# Altium PCB VM3300_V0.1.PcbDoc
Units mil, origin at the board's own origin, x right, y up, seen from the top; angles counter-clockwise.
Board outline 5128.14 x 5521.84 mil, 2 copper layers (Top Layer, Bottom Layer); 149 components, 98 nets, 458 pads, 76 vias.
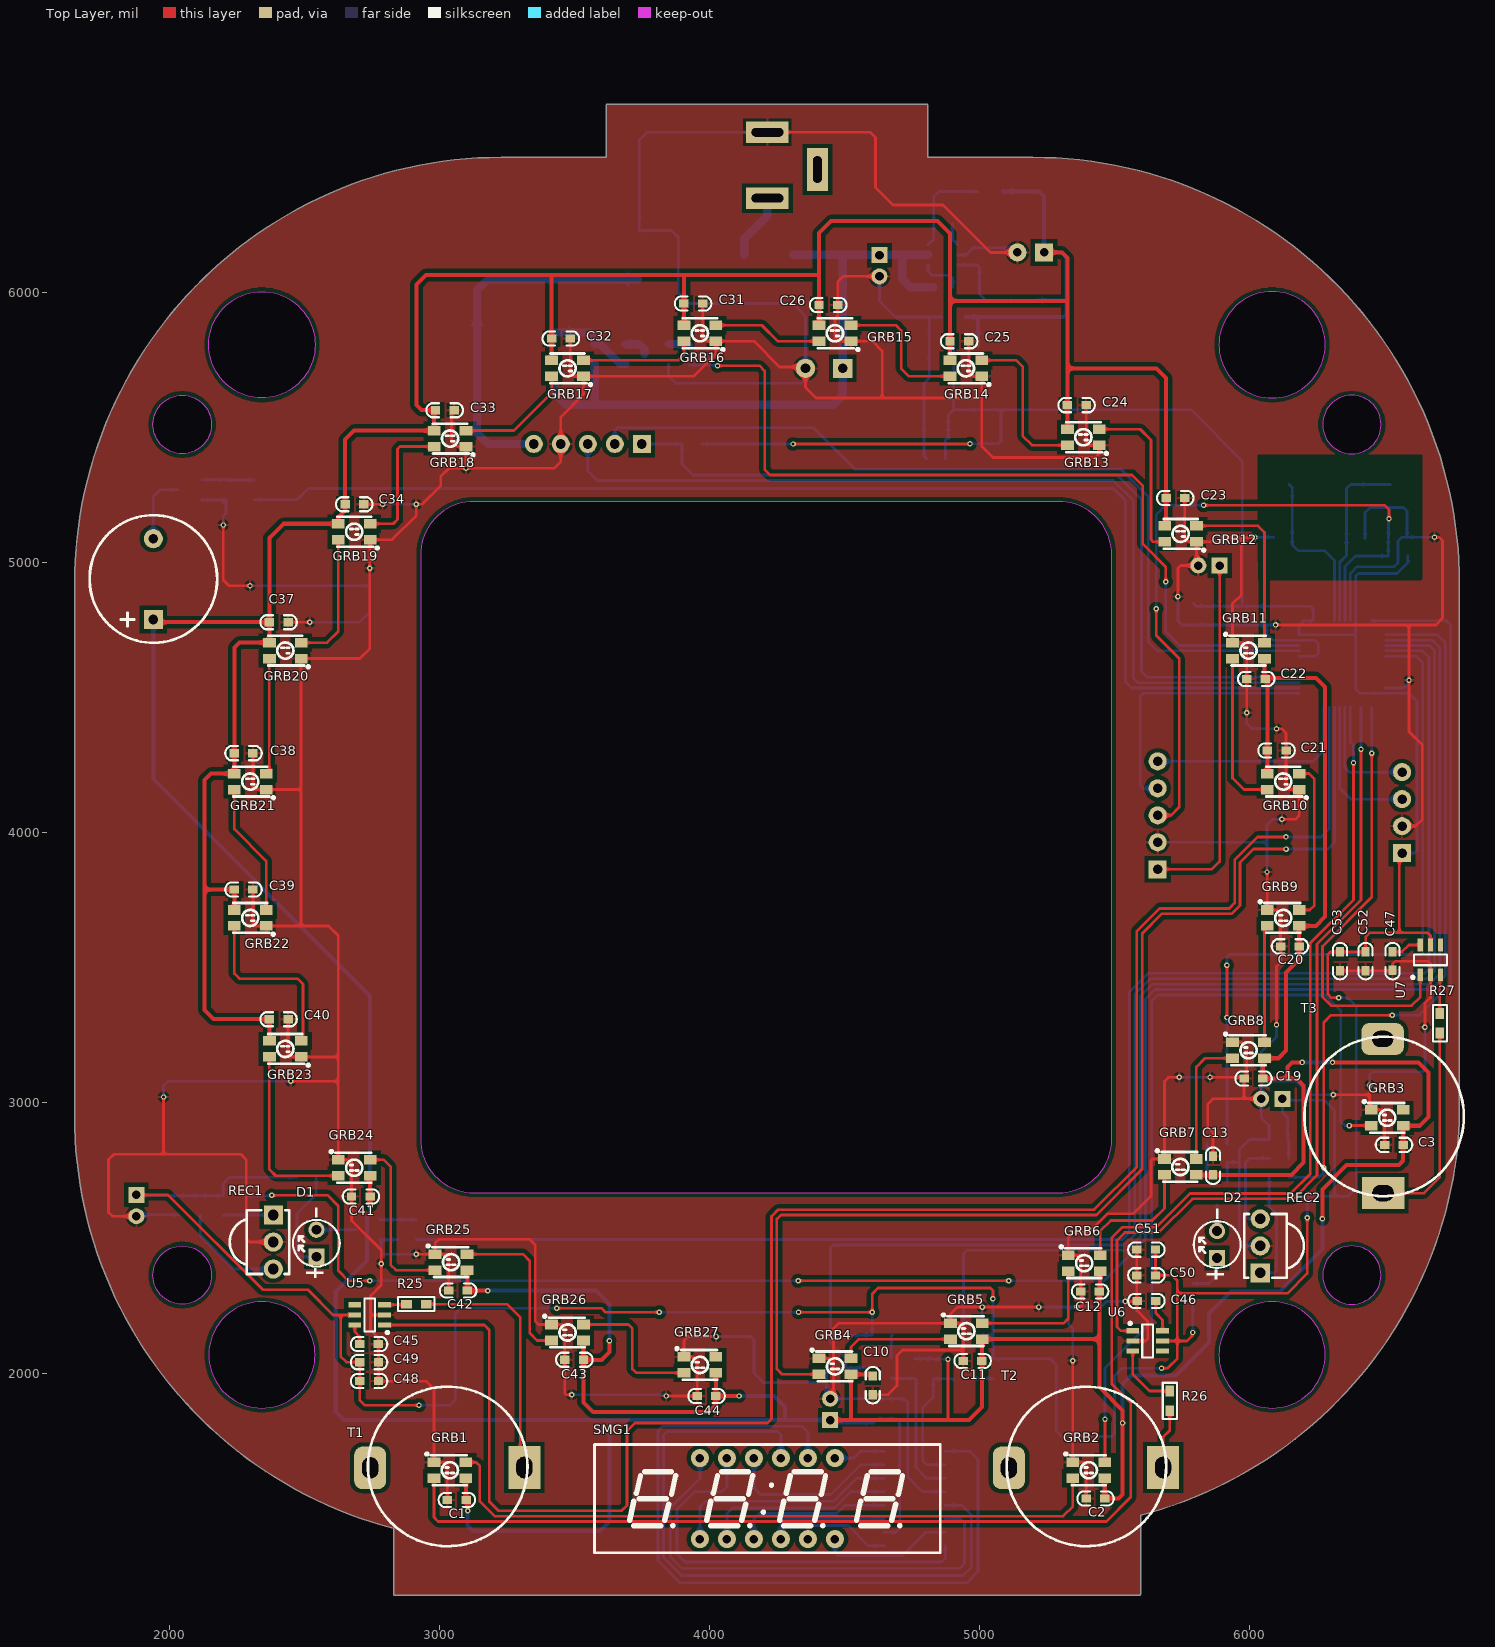
[diagram p0: Top Layer view]
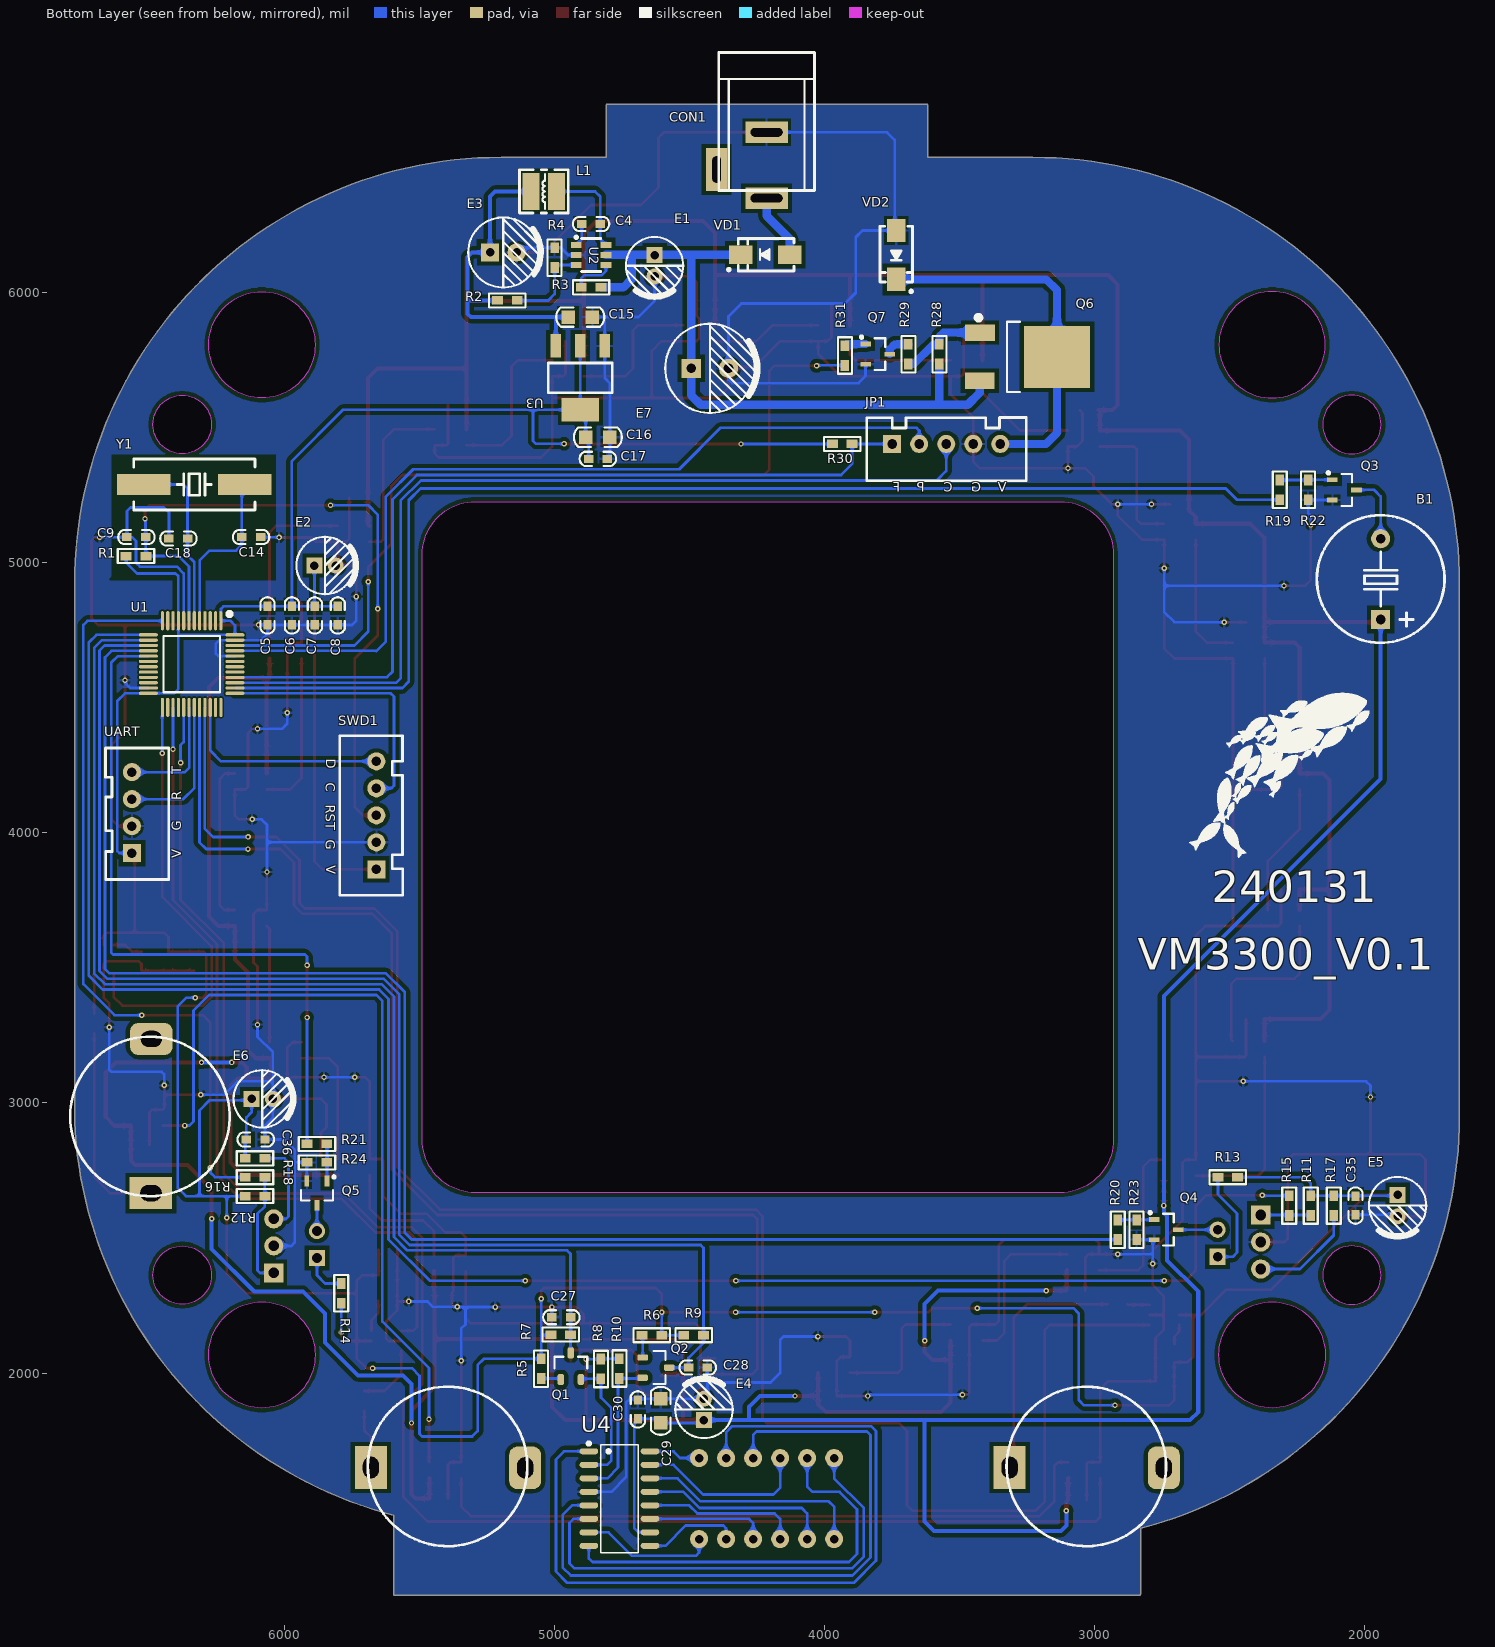
[diagram p1: Bottom Layer view, seen from below]
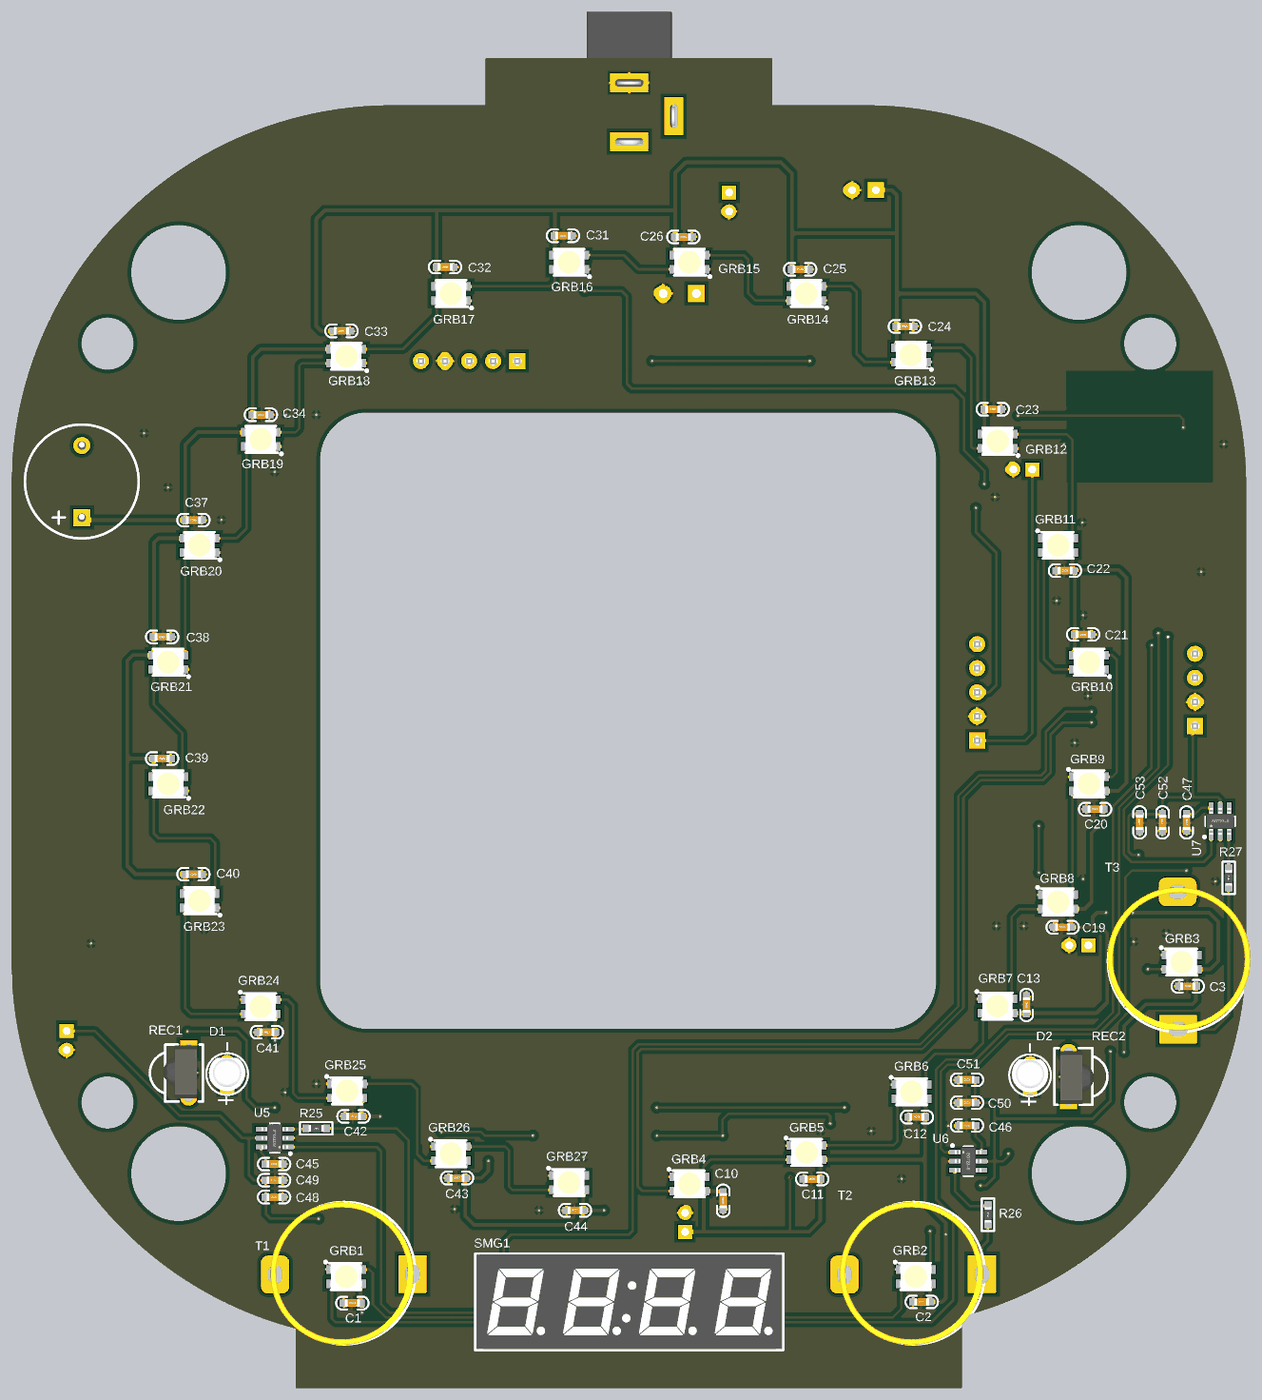
[diagram p2: 3D render of the assembled board from above, using the file's embedded part models]
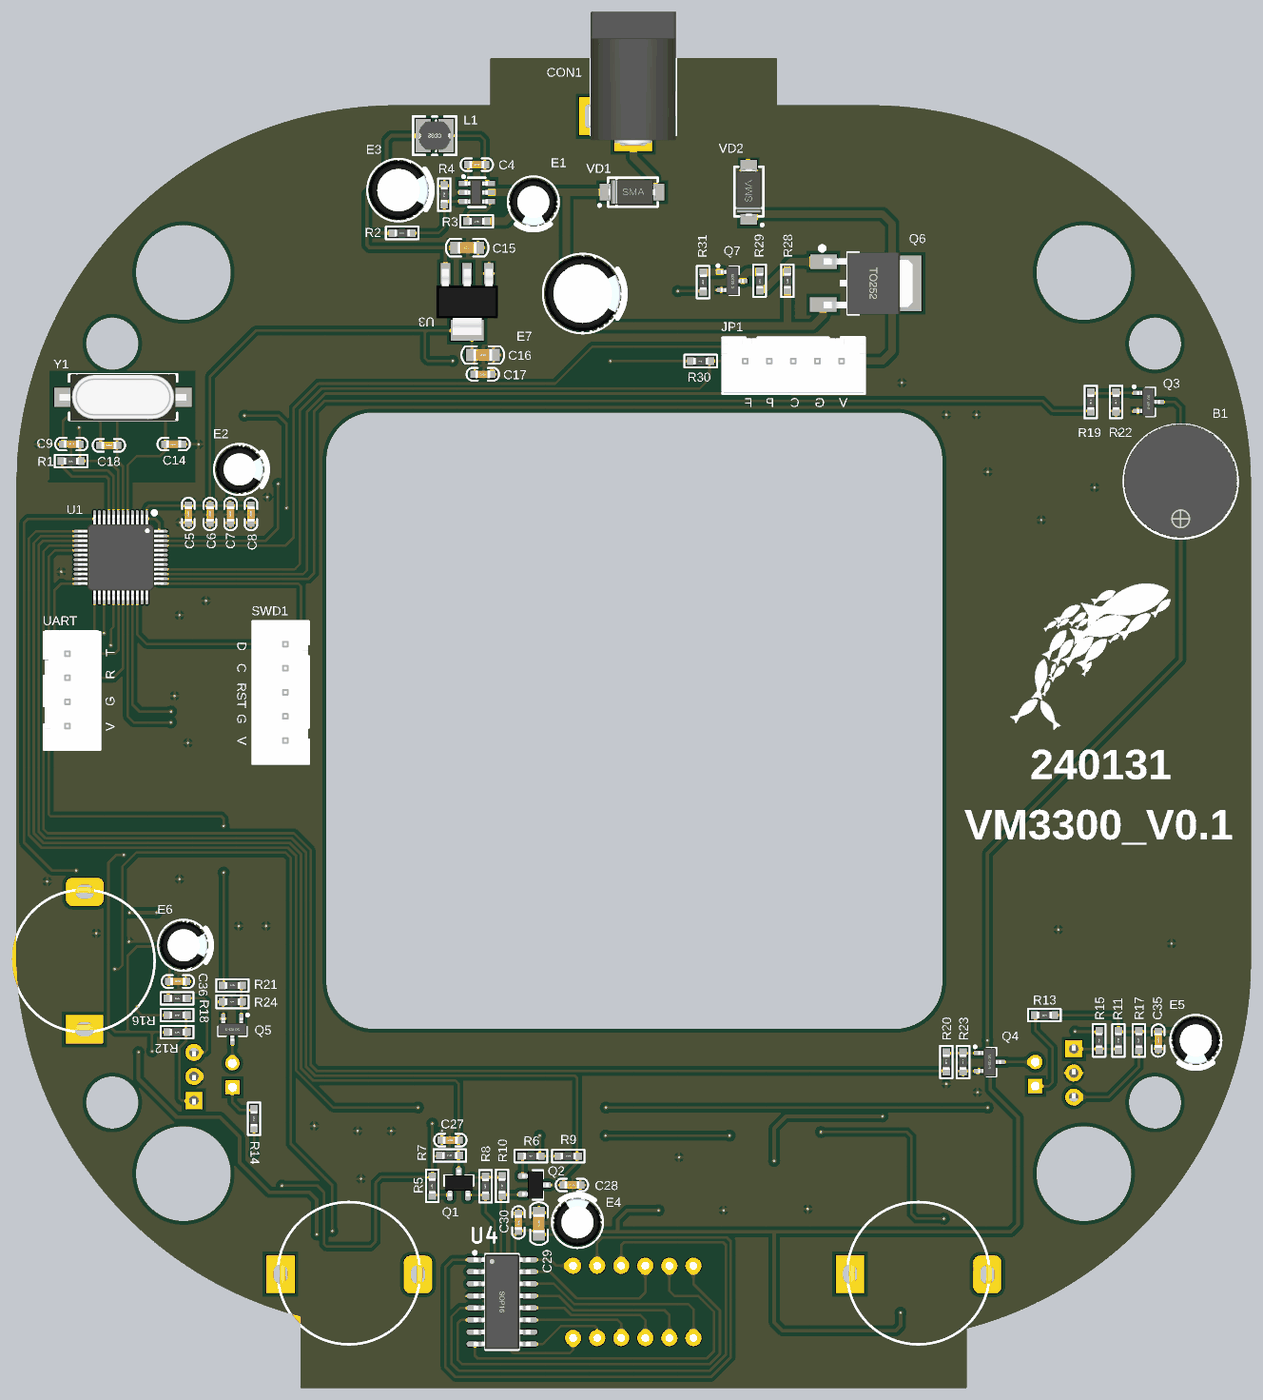
[diagram p3: 3D render of the assembled board from below, using the file's embedded part models]

## Layer stack, top to bottom
Top Solder: solder mask 0.4, Solder Resist, Dk 3.5
Top Layer: signal copper 1.4
Dielectric 1: dielectric 12.6, FR-4, Dk 4.8
Bottom Layer: signal copper 1.4
Bottom Solder: solder mask 0.4, Solder Resist, Dk 3.5

## Board outline
2830.55,1424.33 cw(c3229.26,2953.01) 1649.45,2953.01 1649.45,4921.51 cw(c3229.26,4921.51) 3229.26,6501.33 cw(c3229.26,6496.31) 3229.3,6501.33 3617.95,6501.33 3617.95,6693.16 cw(c3622.96,6693.16) 3622.96,6698.18 4804.07,6698.18 cw(c4804.07,6693.16) 4809.08,6693.16 4809.08,6501.33 5197.77,6501.33 cw(c5197.77,4921.51) 6777.59,4921.51 6777.59,2935 cw(c6772.57,2935) 6777.58,2934.78 cw(c5199.23,3002.94) 5596.48,1473.88 5596.48,1181.35 cw(c5591.47,1181.35) 5591.47,1176.34 2835.56,1176.34 cw(c2835.56,1181.35) 2830.55,1181.35
cut-out: 5886.74,2067.18 ccw(c6083.59,2067.18) 6083.59,1870.33 ccw(c6083.59,2067.18) 6280.45,2067.18 ccw(c6083.59,2067.18) 6083.59,2264.03 ccw(c6083.59,2067.18)
cut-out: 6270.6,5512.06 ccw(c6378.87,5512.06) 6378.87,5403.79 ccw(c6378.87,5512.06) 6487.14,5512.06 ccw(c6378.87,5512.06) 6378.87,5620.33 ccw(c6378.87,5512.06)
cut-out: 5886.74,5807.34 ccw(c6083.59,5807.34) 6083.59,5610.49 ccw(c6083.59,5807.34) 6280.45,5807.34 ccw(c6083.59,5807.34) 6083.59,6004.19 ccw(c6083.59,5807.34)
cut-out: 6270.6,2362.45 ccw(c6378.87,2362.45) 6378.87,2254.19 ccw(c6378.87,2362.45) 6487.14,2362.45 ccw(c6378.87,2362.45) 6378.87,2470.72 ccw(c6378.87,2362.45)
cut-out: 2048.16,2254.19 cw(c2048.16,2362.45) 1939.89,2362.45 cw(c2048.16,2362.45) 2048.16,2470.72 cw(c2048.16,2362.45) 2156.43,2362.45 cw(c2048.16,2362.45)
cut-out: 2930.94,2864.65 ccw(c3127.8,2864.65) 3127.8,2667.8 5293.15,2667.8 ccw(c5293.15,2864.65) 5490,2864.65 5490,5030 ccw(c5293.15,5030) 5293.15,5226.85 3127.8,5226.85 ccw(c3127.8,5030) 2930.94,5030
cut-out: 2343.44,5610.49 cw(c2343.44,5807.34) 2146.59,5807.34 cw(c2343.44,5807.34) 2343.44,6004.19 cw(c2343.44,5807.34) 2540.29,5807.34 cw(c2343.44,5807.34)
cut-out: 2048.16,5403.79 cw(c2048.16,5512.06) 1939.89,5512.06 cw(c2048.16,5512.06) 2048.16,5620.33 cw(c2048.16,5512.06) 2156.43,5512.06 cw(c2048.16,5512.06)
cut-out: 2146.59,2067.18 ccw(c2343.44,2067.18) 2343.44,1870.33 ccw(c2343.44,2067.18) 2540.29,2067.18 ccw(c2343.44,2067.18) 2343.44,2264.03 ccw(c2343.44,2067.18)

## Design rules (kind name [scope] priority, off if disabled: settings)
Clearance Clearance_1 [All vs HasFootprint('STM32F030C8T6')] p1: gap=7 ignorepadtopadclearanceinfootprint=FALSE
Clearance [All] p2: gap=7 ignorepadtopadclearanceinfootprint=FALSE
HoleSize [All] p1: absolutevalues=TRUE maxlimit=120 minlimit=1 maxpercent=80.000 minpercent=20.000
MinimumSolderMaskSliver [All] p1: minsoldermaskwidth=7
PolygonConnect [All] p1: connectstyle=Relief reliefconductorwidth=10 reliefentries=4 polygonreliefangle="90 Angle" airgapwidth=10
RoutingVias [All] p1: holewidth=10 width=20 viastyle="Through Hole" minholewidth=10 minwidth=20 maxholewidth=28 maxwidth=50
SilkToSolderMaskClearance [IsPad] p1: minsilkscreentomaskgap=0 clearancetoexposedcopper=TRUE
SolderMaskExpansion [All] p1: expansion=4
Width [All] p1: maxlimit=39.37 minlimit=10 preferedwidth=10 minimp=50.000000 maximp=50.000000 favimp=50.000000
27 further rules are at their usual default settings.

## Components (designator, comment, footprint, x,y, rotation, side; value= is the part's Value field where it differs from the comment)
B1 "DC5V" "BEEP 7.6x12x7.5" 1940.89,4940 r180 bottom
C1 "100nF" "C 0603" 3065,1530 r0 top
C2 "100nF" "C 0603" 5430,1535 r0 top
C3 "100nF" "C 0603" 6535,2845 r0 top
C4 "100nF" "C 0603" 4865,6255 r180 bottom
C5 "100nF" "C 0603" 6063,4805 r90 bottom
C6 "100nF" "C 0603" 5973,4805 r90 bottom
C7 "100nF" "C 0603" 5888,4805 r90 bottom
C8 "100nF" "C 0603" 5803,4805 r90 bottom
C9 "100nF" "C 0603" 6548.5,5095 r180 bottom
C10 "100nF" "C 0603" 4605,1955 r90 top
C11 "100nF" "C 0603" 4975,2045 r0 top
C12 "100nF" "C 0603" 5410,2302.18 r0 top
C13 "100nF" "C 0603" 5865,2767.33 r270 top
C14 "22pF" "C 0603" 6123.93,5095 r0 bottom
C15 "10uF/16V" "C 0805" 4905,5910 r0 bottom
C16 "10uF/16V" "C 0805" 4840,5465 r0 bottom
C17 "100nF" "C 0603" 4840,5385 r0 bottom
C18 "22pF" "C 0603" 6393,5090 r180 bottom
C19 "100nF" "C 0603" 6015,3090 r0 top
C20 "100nF" "C 0603" 6150,3580 r0 top
C21 "100nF" "C 0603" 6100.47,4305 r180 top
C22 "100nF" "C 0603" 6025,4570 r0 top
C23 "100nF" "C 0603" 5725,5240 r180 top
C24 "100nF" "C 0603" 5360,5583.6 r180 top
C25 "100nF" "C 0603" 4925,5820.47 r180 top
C26 "100nF" "C 0603" 4440,5955 r180 top
C27 "100pF" "C 0603" 4975,2206.37 r180 bottom
C28 "100pF" "C 0603" 4470,2020 r0 bottom
C29 "10uF/16V" "C 0805" 4606.9,1860 r270 bottom
C30 "100nF" "C 0603" 4691.9,1865 r270 bottom
C31 "100nF" "C 0603" 3940,5960 r180 top
C32 "100nF" "C 0603" 3450,5830 r180 top
C33 "100nF" "C 0603" 3020,5565 r180 top
C34 "100nF" "C 0603" 2685,5216.79 r180 top
C35 "100nF" "C 0603" 2034.75,2620 r270 bottom
C36 "100nF" "C 0603" 6106.43,2865 r180 bottom
C37 "100nF" "C 0603" 2405,4780 r180 top locked
C38 "100nF" "C 0603" 2275,4295 r180 top locked
C39 "100nF" "C 0603" 2275,3790 r180 top
C40 "100nF" "C 0603" 2405,3310 r180 top
C41 "100nF" "C 0603" 2710,2654 r0 top
C42 "100nF" "C 0603" 3070,2305 r0 top
C43 "100nF" "C 0603" 3500,2049 r0 top
C44 "100nF" "C 0603" 3990,1915 r0 top
C45 "10nF" "C 0603" 2740,2106.85 r0 top
C46 "10nF" "C 0603" 5618,2267.01 r180 top
C47 "10nF" "C 0603" 6530,3525 r270 top
C48 "100nF" "C 0603" 2740,1970 r180 top
C49 "1uF" "C 0603" 2740,2040 r180 top
C50 "100nF" "C 0603" 5618,2361.69 r0 top
C51 "1uF" "C 0603" 5618,2456.69 r0 top
C52 "100nF" "C 0603" 6430,3525 r90 top
C53 "1uF" "C 0603" 6335,3525 r90 top
CON1 "3.5*1.3" DC-005 4215,6594.09 r90 bottom locked
D1 "HC-F3-C06A" HC-F3-C06A 2550,2480.58 r90 top locked
D2 "HC-F3-C06A" HC-F3-C06A 5885,2475.58 r90 top locked
E1 "100uF/25V" "CAP 2.0*5*11 - BK" 4630,6100 r270 bottom
E2 "100uF/16V" "CAP 2.0*5*11 - BK" 5850,4990 r180 bottom
E3 "470uF/10V" "CAP 2.5*6.3*11.2 - BK" 5190,6149.21 r180 bottom
E4 "100uF/16V" "CAP 2.0*5*11 - BK" 4446.9,1865 r90 bottom
E5 "100uF/16V" "CAP 2.0*5*11 - BK" 1878.63,2620 r270 bottom
E6 "100uF/16V" "CAP 2.0*5*11 - BK" 6082.51,3015 r180 bottom
E7 "220uF/35V" "CAP 3.5*8*11.5 - BK" 4425,5720 r180 bottom
GRB1 "WS2812B" WS2812B-3528 3039.13,1640 r180 top locked
GRB2 "WS2812B" WS2812B-3528 5405,1640 r180 top locked
GRB3 "WS2812B" WS2812B-3528 6510,2945 r180 top locked
GRB4 "WS2812B" WS2812B-3528 4465.32,2024.63 r180 top locked
GRB5 "WS2812B" WS2812B-3528 4951.76,2154.97 r180 top locked
GRB6 "WS2812B" WS2812B-3528 5387.9,2406.77 r180 top locked
GRB7 "WS2812B" WS2812B-3528 5744,2762.88 r180 top locked
GRB8 "WS2812B" WS2812B-3528 5996.34,3195 r180 top locked
GRB9 "WS2812B" WS2812B-3528 6125,3685 r180 top locked
GRB10 "WS2812B" WS2812B-3528 6125,4190 r0 top
GRB11 "WS2812B" WS2812B-3528 5996.34,4675 r180 top locked
GRB12 "WS2812B" WS2812B-3528 5745,5107.19 r0 top
GRB13 "WS2812B" WS2812B-3528 5385,5465 r0 top
GRB14 "WS2812B" WS2812B-3528 4950,5720.09 r0 top
GRB15 "WS2812B" WS2812B-3528 4465,5850 r0 top
GRB16 "WS2812B" WS2812B-3528 3965,5850 r0 top
GRB17 "WS2812B" WS2812B-3528 3475,5720 r0 top locked
GRB18 "WS2812B" WS2812B-3528 3040,5460 r0 top
GRB19 "WS2812B" WS2812B-3528 2685,5115 r0 top
GRB20 "WS2812B" WS2812B-3528 2430,4675 r0 top locked
GRB21 "WS2812B" WS2812B-3528 2300,4190 r0 top locked
GRB22 "WS2812B" WS2812B-3528 2300,3685 r0 top
GRB23 "WS2812B" WS2812B-3528 2430,3200 r0 top
GRB24 "WS2812B" WS2812B-3528 2685,2760 r180 top locked
GRB25 "WS2812B" WS2812B-3528 3043.59,2410.44 r180 top locked
GRB26 "WS2812B" WS2812B-3528 3475,2150 r180 top locked
GRB27 "WS2812B" WS2812B-3528 3965,2030 r180 top locked
JP1 "HDR-1X5" XH2.54-5P 3750,5440 r180 bottom
L1 "4.7uH" CD32 5040,6375 r0 bottom
Q1 "AO3400A" SOT23-3 4940,2025 r90 bottom
Q2 "AO3400A" SOT23-3 4625,2020 r180 bottom
Q3 "S8050" SOT23-3L 2075,5270 r270 bottom
Q4 "SS8050" SOT23-3L 2735,2530.58 r270 bottom
Q5 "SS8050" SOT23-3L 5880,2666.14 r0 bottom
Q6 "NCE60P45K" NCE_MOS 3305.35,5762.48 r270 bottom
Q7 "S8050" SOT23-3L 3803.52,5772.48 r270 bottom
R1 "10K" "R 0603" 6550,5025 r0 bottom
R2 "27K" "R 0603" 5175,5971.36 r0 bottom
R3 "100K" "R 0603" 4865,6020 r0 bottom
R4 "5.1K" "R 0603" 5000,6130 r270 bottom
R5 "2K" "R 0603" 5050,2016.23 r90 bottom
R6 "2K" "R 0603" 4640,2140 r180 bottom
R7 "10K" "R 0603" 4977.4,2142.51 r0 bottom
R8 "10K" "R 0603" 4828.5,2015 r90 bottom
R9 "10K" "R 0603" 4485,2140 r0 bottom
R10 "10K" "R 0603" 4760,2016.5 r90 bottom
R11 "36K" "R 0603" 2200,2620 r90 bottom
R12 "36K" "R 0603" 6109.29,2655 r0 bottom
R13 "13K" "R 0603" 2507.46,2725 r0 bottom
R14 "13K" "R 0603" 5790,2295 r90 bottom
R15 "1K" "R 0603" 2280,2620 r90 bottom
R16 "1K" "R 0603" 6109.29,2725 r0 bottom
R17 "100R" "R 0603" 2115,2620 r90 bottom
R18 "100R" "R 0603" 6109.29,2794.98 r0 bottom
R19 "1K" "R 0603" 2315,5270 r90 bottom
R20 "10K" "R 0603" 2915,2530.58 r90 bottom
R21 "10K" "R 0603" 5880,2848.13 r180 bottom
R22 "10K" "R 0603" 2210,5270 r90 bottom
R23 "4.7K" "R 0603" 2845,2530.58 r90 bottom
R24 "4.7K" "R 0603" 5880,2780 r180 bottom
R25 "1K" "R 0603" 2915,2255 r180 top
R26 "1K" "R 0603" 5705,1896.7 r90 top
R27 "1K" "R 0603" 6705,3295 r90 top
R28 "10K" "R 0603" 3575,5772.48 r270 bottom
R29 "20K" "R 0603" 3690,5772.48 r270 bottom
R30 "4.7K" "R 0603" 3935,5440 r0 bottom
R31 "4.7K" "R 0603" 3925,5767.48 r90 bottom
REC1 "HC-1538LD" HC-1538LD 2330.53,2485 r270 top locked
REC2 "HC-1538LD" HC-1538LD 6095,2470.58 r90 top locked
SMG1 "2841B" "SMG 0.28-4P_B" 4215,1535 r0 top locked
SWD1 "HDR-1X5" SWD_JOANLAB 5660,4265 r270 bottom
T1 "TH_Touch" TH_Touch 2782.13,1652.52 r90 top locked
T2 "TH_Touch" TH_Touch 5147.13,1652.52 r90 top locked
T3 "TH_Touch" TH_Touch 6496.98,3199.01 r0 top locked
U1 "STM32F030C8T6" STM32F030C8T6 6343.99,4625 r0 bottom
U2 "ME3116AM6G" ME3116AM6G 4865,6140 r180 bottom
U3 "AMS1117-3.3" AMS1117-3.3 4905,5685 r90 bottom
U4 "TM1650" TM1650 4760,1530 r180 bottom
U5 "TK8021" TK8021 2742.41,2215 r90 top
U6 "TK8021" TK8021 5623,2118.7 r270 top
U7 "TK8021" TK8021 6670,3530 r0 top
UART "HDR-1X4" XH2.54-4P 6565,3925 r90 bottom
VD1 "SS34" SMA 4220,6140.82 r0 bottom
VD2 "SS34" SMA 3735,6140 r270 bottom
Y1 "8MHz" "XTAL-49S SMD" 6334.15,5290 r180 bottom

## Footprints (in the part's own frame and the unit in brackets; to place one, negate y for a bottom-side part, rotate by r counter-clockwise, add the part's x,y. Pads: shape width x height; smd on the part's side, far side on the other; paste and mask are expansions set on the pad)
AMS1117-3.3 [mm]
  rect 2.2x1 smd: 1(3,-2.3) 2(3,0) 3(3,2.3)
  rect 2.2x3.5 smd: 2(-3,0)
  silkscreen extent -1.4,-3 1.4,3, body extent -3.49,-3.24 3.49,3.24, height 1.64
"BEEP 7.6x12x7.5" [mm] "6.5*12*7.5mm(脚距,直径,高度)"
  rect 1.8x1.8 hole 0.9: 1(-0.011,-3.811)
  round 1.8 hole 0.9: 2(-0.011,3.789)
  silkscreen extent -6.01,-6 5.99,6, body extent -6.01,-5.93 5.99,6.07, height 7.55
"C 0603" [mil] "无极性贴片电容"
  rect 35x30 smd: 1(-35,0) 2(34,0)
  silkscreen extent -67,-26 67,26, body extent -31,-16 31,16, height 32
"C 0805" [mil] "无极性贴片电容"
  rect 50x50 smd: 1(-45,0) 2(45,0)
  silkscreen extent -89,-36 89,36, body extent -39,-24 39,24, height 20
"CAP 2.0*5*11 - BK" [mm] "脚距2mm直径5mm高度11mm"
  rect 1.5x1.5 hole 0.8: 1(-1,0)
  round 1.5 hole 0.8: 2(1,0)
  silkscreen extent -2.7,-2.7 2.96,2.7, body extent -2.5,-2.5 2.51,2.5, height 11.04
"CAP 2.5*6.3*11.2 - BK" [mm] "脚距2.5mm直径6.3mm高度11.2mm"
  rect 1.7x1.7 hole 0.8: 1(-1.25,0)
  round 1.7 hole 0.8: 2(1.25,0)
  silkscreen extent -3.3,-3.3 3.56,3.3, body extent -3.15,-3.15 3.16,3.15, height 11.24
"CAP 3.5*8*11.5 - BK" [mm] "脚距3.5mm直径8mm高度11.5mm"
  rect 1.8x1.8 hole 0.9: 1(-1.75,0)
  round 1.8 hole 0.9: 2(1.75,0)
  silkscreen extent -4.2,-4.2 4.5,4.2, body extent -4,-4 4.01,4, height 11.54
CD32 [mm] "3.5*3*2mm（长宽高）"
  rect 1.6x3.5 smd: 1(-1.2,0) 2(1.2,0)
  silkscreen extent -2.29,-2.03 2.29,2.03, body extent -1.71,-1.5 1.71,1.5, height 2.15
DC-005 [mm] "5.5*2.1mm，DC30V,2.5A"
  rect 2x4 hole 0.8 slot 3 at 90 deg: 1(-6.2,0) 2(0,0)
  rect 4x2 hole 0.8 slot 2.5 at 0 deg: 3(-3.5,4.7)
  silkscreen extent -5.48,-4.5 7.5,4.5, body extent -6.55,-4.5 7.5,4.8, height 11.2
HC-1538LD [mm] "红外接收管"
  rect 1.8x1.8 hole 1: 1(-2.54,1.397)
  round 1.8 hole 1: 2(0,1.397) 3(2.54,1.397)
  silkscreen extent -3,-2.7 3,2.9, body extent -2.92,-1.29 2.68,2.31, height 5
HC-F3-C06A [mil] "红外发射管"
  rect 60x60 hole 36: 1(-50,5)
  round 60 hole 36: 2(50,5)
  silkscreen extent -128,-82 132,92, body extent -71,-71 67,81, height 59
ME3116AM6G [mm] "SOT-23-6"
  rect 1x0.55 smd: 1(-1.4,0.95) 2(-1.4,0) 3(-1.4,-0.95) 4(1.4,-0.95) 5(1.4,0) 6(1.4,0.95)
  silkscreen extent -1.52,-1.55 0.9,1.78, body extent -1.27,-1.4 1.16,1.4, height 1.09
NCE_MOS [mil] "252晶体管"
  rect 60x110 smd: 1(-89.55,-119.77) 3(88.45,-120.77)
  rect 230x245 smd: 2(0,165.35)
  silkscreen extent -153,-133 130,28, body extent -128,-120 128,251, height 91
"R 0603" [mil] "1/10W贴片电阻"
  rect 40x31.5 smd: 1(-36.5,0) 2(36.5,0)
  silkscreen extent -68,-26 68,26, body extent -31,-16 31,16, height 16
SMA [mm] "4.5x2.6*2.2mm（长宽高，不包括引脚）"
  rect 2.2x1.75 smd: 1(-2.3,0) 2(2.3,0)
  silkscreen extent -2.7,-1.52 3.56,1.52, body extent -2.52,-1.3 2.57,1.3, height 2.15
"SMG 0.28-4P_B" [mm] "32.2*10*6mm(长宽厚)"
  round 1.7 hole 0.8: 1(-6.35,-3.81) 2(-3.81,-3.81) 3(-1.27,-3.81) 4(1.27,-3.81) 5(3.81,-3.81) 6(6.35,-3.81) 7(6.35,3.81) 8(3.81,3.81) 9(1.27,3.81) 10(-1.27,3.81) 11(-3.81,3.81) 12(-6.35,3.81)
  silkscreen extent -16.26,-5.08 16.26,5.08, body extent -16.1,-5 16.1,5, height 6
SOT23-3 [mm] "SOT23, 3-Leads, Body 3.1x3.0mm (max), Pitch 0.95mm, IPC Medium Density"
  rrect50% 1x0.6 smd: 1(-1.246,0.95) 2(-1.246,-0.95) 3(1.246,0)
  silkscreen extent -0.2,-1.55 0.9,1.55, body extent -1.3,-1.45 1.5,1.45, height 1.2
SOT23-3L [mm] "3x1.3x1mm(长宽高)"
  rect 0.45x1 smd: 1(-0.95,-1.143) 2(0.95,-1.143) 3(0,1.125)
  silkscreen extent -1.72,-1.65 1.5,0.7, body extent -1.5,-1.2 1.5,1.2, height 1.05
STM32F030C8T6 [mm]
  oval 0.3x1.8 smd: 1(-2.75,-4.073) 2(-2.25,-4.073) 3(-1.75,-4.073) 4(-1.25,-4.073) 5(-0.75,-4.073) 6(-0.25,-4.073) 7(0.25,-4.073) 8(0.75,-4.073) 9(1.25,-4.073) 10(1.75,-4.073) 11(2.25,-4.073) 12(2.75,-4.073) 25(2.75,4.073) 26(2.25,4.073) 27(1.75,4.073) 28(1.25,4.073) 29(0.75,4.073) 30(0.25,4.073) 31(-0.25,4.073) 32(-0.75,4.073) 33(-1.25,4.073) 34(-1.75,4.073) 35(-2.25,4.073) 36(-2.75,4.073)
  oval 1.8x0.3 smd: 13(4.073,-2.75) 14(4.073,-2.25) 15(4.073,-1.75) 16(4.073,-1.25) 17(4.073,-0.75) 18(4.073,-0.25) 19(4.073,0.25) 20(4.073,0.75) 21(4.073,1.25) 22(4.073,1.75) 23(4.073,2.25) 24(4.073,2.75) 37(-4.073,2.75) 38(-4.073,2.25) 39(-4.073,1.75) 40(-4.073,1.25) 41(-4.073,0.75) 42(-4.073,0.25) 43(-4.073,-0.25) 44(-4.073,-0.75) 45(-4.073,-1.25) 46(-4.073,-1.75) 47(-4.073,-2.25) 48(-4.073,-2.75)
  silkscreen extent -3.68,-4.83 2.65,2.65, body extent -4.5,-4.5 4.5,4.5, height 1.05